# Altium PCB 0.PCB1.PcbDoc (part 9 of 12)
Units mm, origin at the board's own origin, x right, y up, seen from the top; angles counter-clockwise.
Board outline 77 x 72 mm, 6 copper layers (Top Layer, Layer 1, Layer 3, Layer 4, Layer 2, Bottom Layer), stack 1.538 mm thick; 570 components, 490 nets, 3331 pads, 1909 vias.
Unrouted connection lines stored in the file: 2.
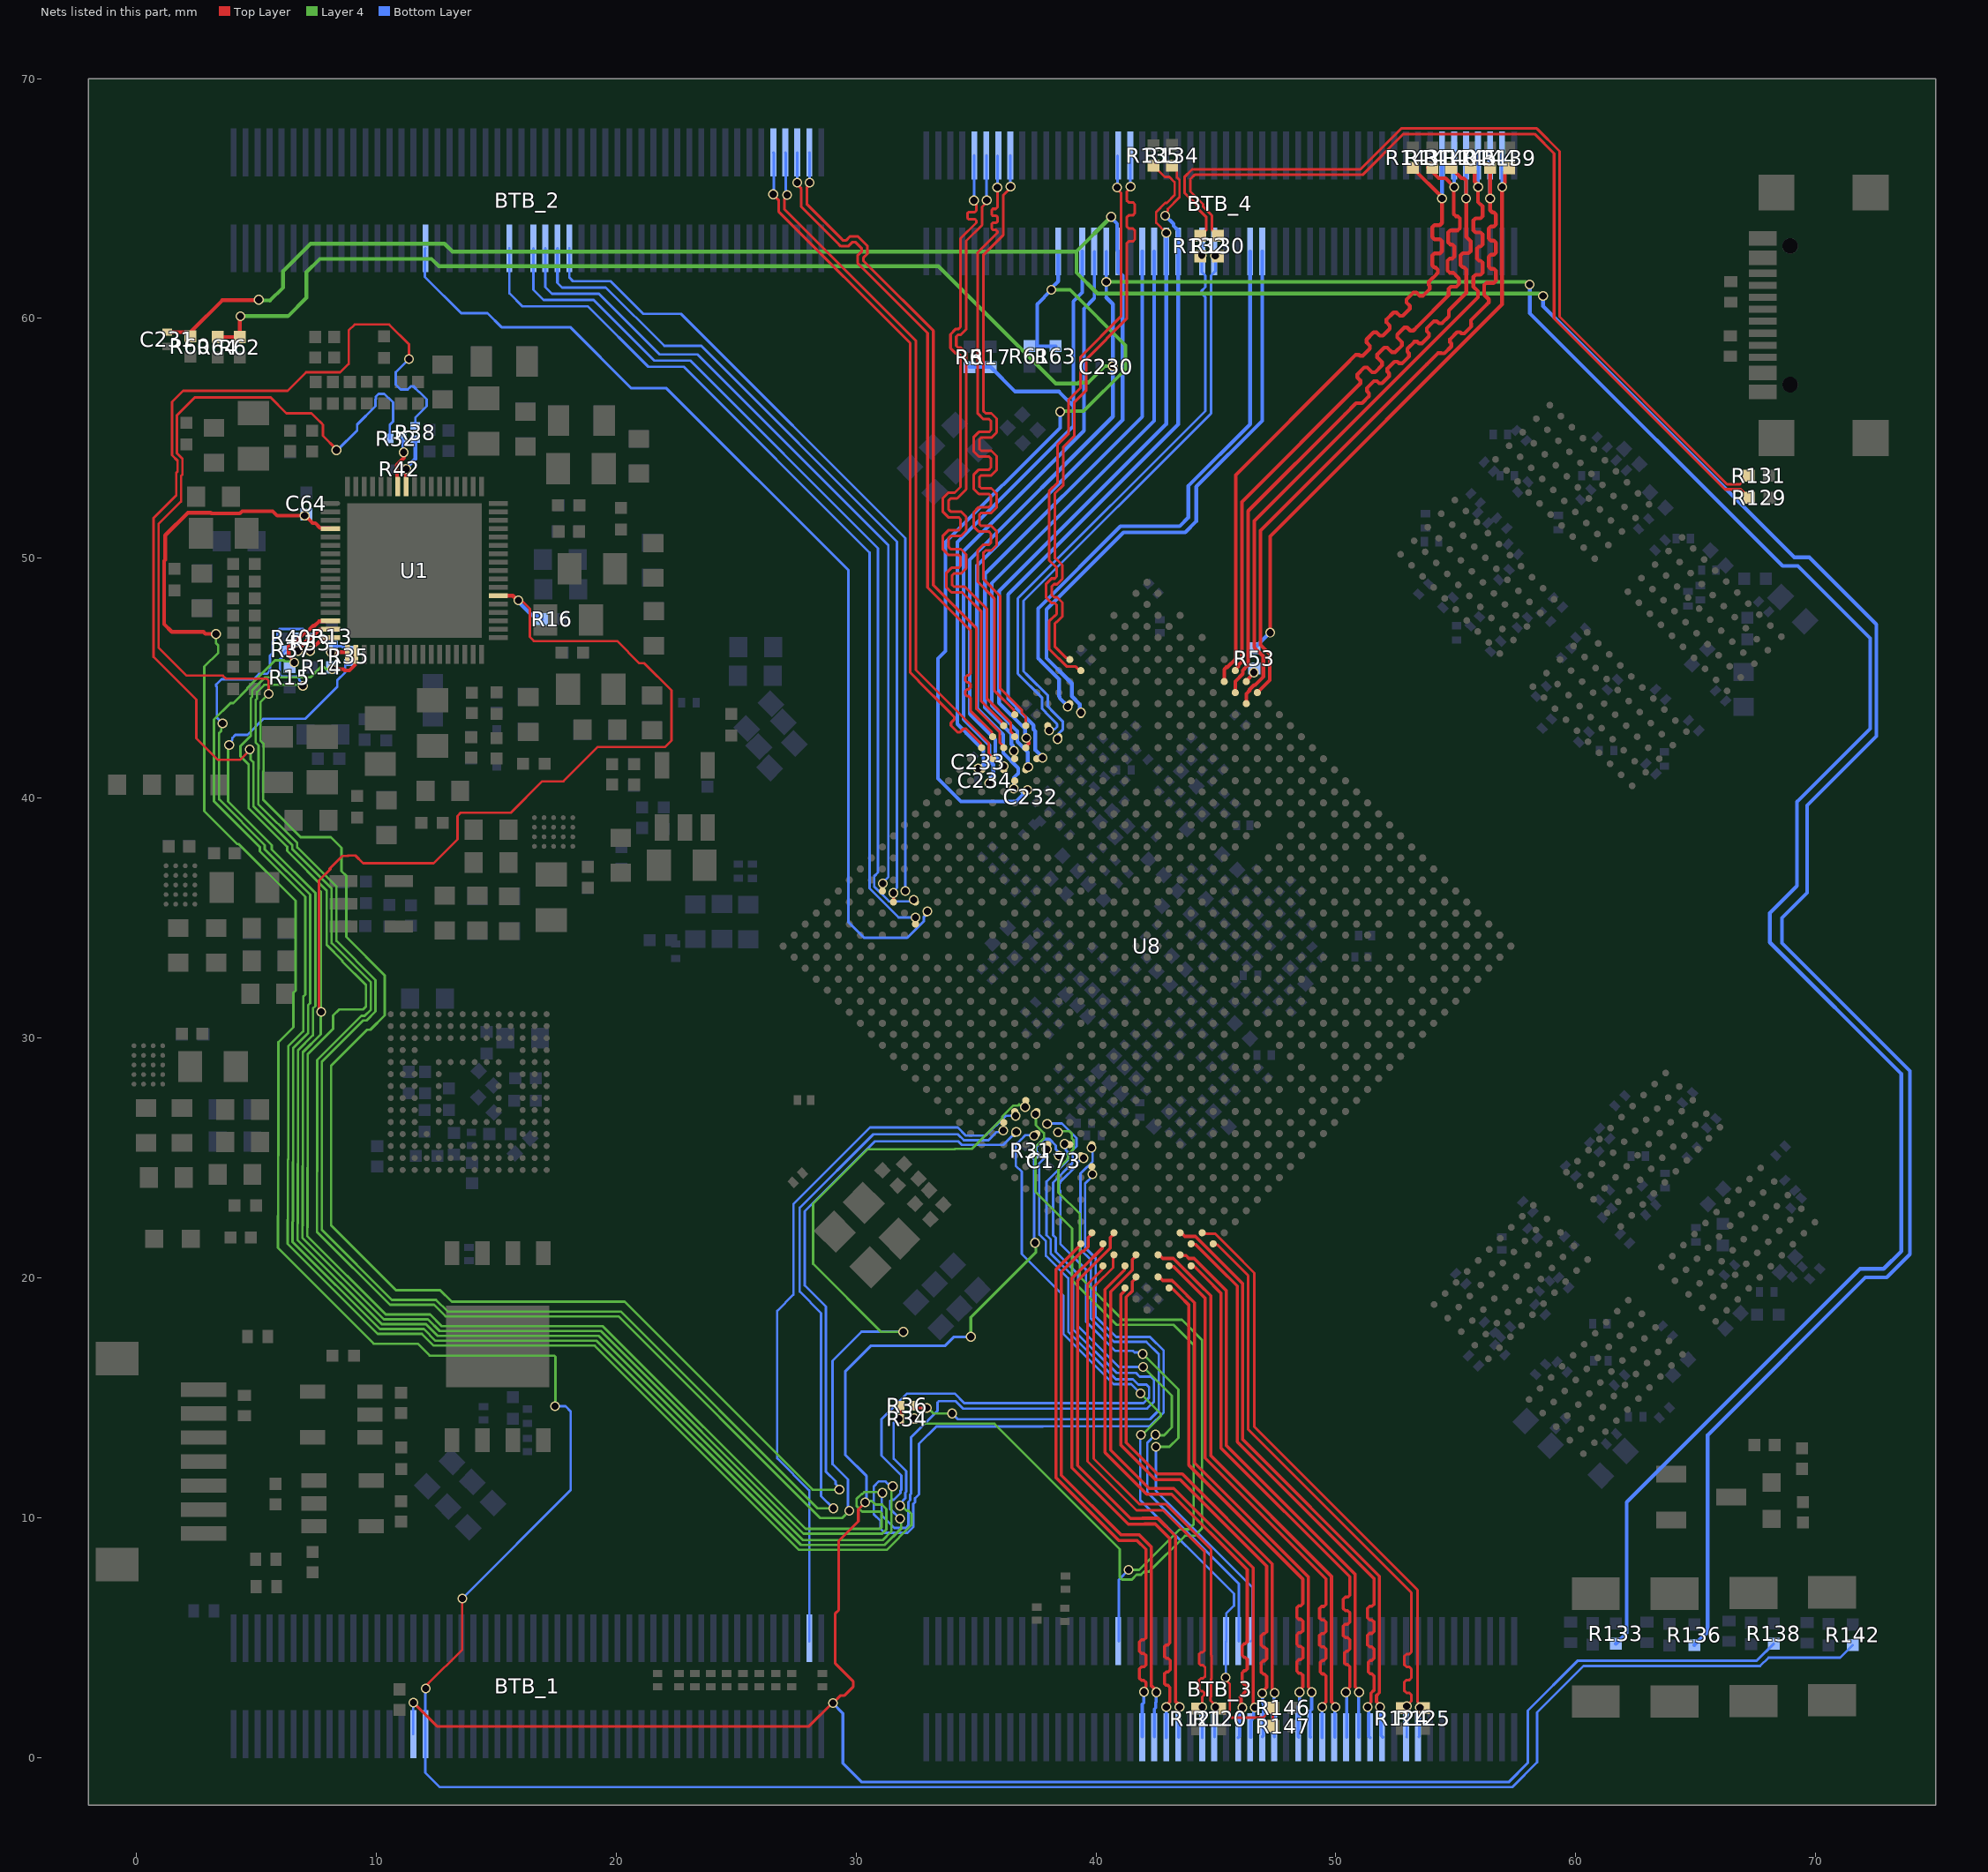
[diagram p13: the nets of this part, all layers, seen from the top]

## Via types
v1: diameter 0.41, hole 0.3, Top Layer to Bottom Layer, tented both sides, 1901 vias
v2: diameter 0.41, hole 0.3, Top Layer to Bottom Layer, 8 vias

## Nets (pads, with @x,y where several pads share a name; then routed paths per layer and width w, separated by ;. In a path a pad name is that pad's centre, name@x,y a point inside that pad or via, vN(x,y) a via of type N, cw(c..) or ccw(c..) an arc to the next point about the centre after c; other vN are vias at no path point) (continued)
PCIE30_PORT0_REF_CLKN: BTB_3.77 R121.2 U8.E34 | length 23.3
  Top Layer w0.109: U8.E34@40.292,20.497 40.256,20.46 40.256,20.331 39.816,19.891 39.648,19.723 39.648,12.348 41.69,10.305 42.808,10.305 44.531,8.583 44.531,5.436 44.531,4.461 44.449,4.38 44.377,4.38 44.296,4.298 44.296,3.92 44.377,3.839 44.47,3.839 44.551,3.758 44.551,3.379 44.47,3.298 44.377,3.298 44.296,3.217 44.296,2.838 44.377,2.757 44.449,2.757 44.531,2.676 44.531,2.622 44.432,2.523 v1(44.432,2.102)
  Bottom Layer w0.109: BTB_3.77@44.429,0.817 v1@44.429,2.095
PCIE30_PORT0_REF_CLKP: BTB_3.76 R120.2 U8.E33 | length 23.2
  Top Layer w0.109: U8.E33@40.752,20.956 40.715,20.919 40.715,20.421 40.001,19.707 39.909,19.615 39.909,12.456 41.799,10.567 42.916,10.567 44.792,8.691 44.792,4.262 44.813,4.241 44.813,3.271 44.792,3.25 44.792,2.513 44.775,2.496 44.775,2.376 44.983,2.168 v1(44.983,2.104)
  Bottom Layer w0.109: BTB_3.76@44.955,0.843 v1@44.955,2.076
PCIE30_PORT0_RX0N: BTB_3.82 U8.G34 | length 23.7
  Top Layer w0.131: U8.G34@39.373,21.416 39.373,21.378 38.328,20.333 38.328,11.671 40.95,9.049 41.707,9.049 42.082,8.673 42.082,5.068 42.082,4.983 41.998,4.899 41.9,4.899 41.816,4.814 41.816,4.42 41.9,4.336 41.998,4.336 42.082,4.252 42.082,3.858 41.998,3.773 41.9,3.773 41.816,3.689 41.816,3.295 41.9,3.211 41.998,3.211 42.082,3.126 42.082,3.061 42.082,2.948 42.056,2.922 42.056,2.785 v1(42.003,2.732)
  Bottom Layer w0.131: BTB_3.82@41.931,0.867 41.931,2.217 41.99,2.277 41.99,2.72 v1(42.003,2.732)
PCIE30_PORT0_RX0P: BTB_3.81 U8.G33 | length 23.7
  Top Layer w0.131: U8.G33@39.832,21.875 39.832,21.83 39.748,21.745 39.748,21.74 39.68,21.672 39.68,21.289 39.5,21.109 39.433,21.109 39.015,20.692 38.56,20.237 38.56,11.767 41.047,9.281 41.803,9.281 42.315,8.769 42.315,2.982 42.514,2.783 v1(42.514,2.714)
  Bottom Layer w0.131: BTB_3.81@42.431,0.867 42.431,2.01 42.49,2.07 42.49,2.286 42.514,2.309 v1(42.514,2.714)
PCIE30_PORT0_RX1N: BTB_3.80 U8.F33 | length 24.1
  Top Layer w0.131: U8.F33@40.292,21.416 40.26,21.383 40.26,21.227 39.44,20.407 39.432,20.407 39,19.976 39,12.075 41.349,9.726 42.029,9.726 42.035,9.732 42.476,9.732 43.086,9.123 43.086,5.167 43.086,4.775 43.001,4.69 42.937,4.69 42.852,4.606 42.852,4.212 42.937,4.128 43.01,4.128 43.094,4.043 43.094,3.65 43.01,3.565 42.937,3.565 42.852,3.481 42.852,3.087 42.937,3.003 43.001,3.003 43.086,2.918 43.086,2.853 43.086,2.318 42.932,2.164 v1(42.932,2.102)
  Bottom Layer w0.131: BTB_3.80@42.929,0.817 v1@42.929,2.095
PCIE30_PORT0_RX1P: BTB_3.79 U8.F32 | length 24.1
  Top Layer w0.131: U8.F32@40.752,21.875 40.751,21.829 40.599,21.677 40.599,21.237 39.535,20.173 39.239,19.877 39.239,12.174 41.448,9.965 41.93,9.965 41.936,9.971 42.575,9.971 43.324,9.222 43.324,8.935 43.327,8.933 43.327,2.32 43.483,2.163 v1(43.483,2.104)
  Bottom Layer w0.131: BTB_3.79@43.455,0.843 v1@43.455,2.076
PCIE30_PORT0_TX0N: BTB_3.74 U8.D33 | length 23.7
  Top Layer w0.131: U8.D33@41.19,20.399 41.19,20.319 40.38,19.509 40.38,12.713 42.116,10.977 43.155,10.977 46.309,7.823 46.309,4.984 46.309,4.818 46.225,4.734 46.18,4.734 46.095,4.649 46.095,4.255 46.18,4.171 46.225,4.171 46.309,4.087 46.309,3.693 46.225,3.608 46.18,3.608 46.095,3.524 46.095,3.13 46.18,3.046 46.225,3.046 46.309,2.961 46.309,2.896 46.309,2.815 46.004,2.51 46.051,2.463 46.051,2.127 v1(46.104,2.074)
  Bottom Layer w0.131: BTB_3.74@45.929,0.817 45.98,0.868 45.98,1.787 46.051,1.857 46.051,2.02 v1(46.104,2.074)
PCIE30_PORT0_TX0P: BTB_3.73 U8.D32 | length 23.7
  Top Layer w0.131: U8.D32@41.671,20.956 41.671,20.91 41.518,20.757 41.518,20.318 40.613,19.413 40.613,19.095 40.613,12.809 42.213,11.209 43.251,11.209 46.561,7.899 46.561,2.55 ; 46.562,2.549 46.562,2.137 v1(46.616,2.083)
  Bottom Layer w0.131: BTB_3.73@46.455,0.843 46.455,1.518 46.581,1.644 46.581,2.048 v1(46.616,2.083)
PCIE30_PORT0_TX1N: BTB_3.72 U8.C34 | length 22.5
  Top Layer w0.131: U8.C34@41.211,19.577 41.179,19.545 41.179,19.432 41.032,19.284 41.032,13.028 42.473,11.587 43.506,11.587 47.118,7.974 47.118,5.505 47.118,5.24 47.034,5.155 46.979,5.155 46.894,5.071 46.894,4.677 46.979,4.593 47.034,4.593 47.118,4.508 47.118,4.114 47.034,4.03 46.979,4.03 46.894,3.946 46.894,3.552 46.979,3.467 47.034,3.467 47.118,3.383 47.118,3.318 47.118,2.919 46.933,2.734 v1(46.933,2.675)
  Bottom Layer w0.131: v1(46.933,2.675) 46.935,2.674 46.935,2.29 46.988,2.237 46.988,0.916 BTB_3.72@46.935,0.863
PCIE30_PORT0_TX1P: BTB_3.71 U8.C33 | length 22.5
  Top Layer w0.131: U8.C33@41.671,20.037 41.671,19.991 41.518,19.838 41.518,19.442 41.264,19.188 41.264,13.125 42.57,11.819 43.602,11.819 47.35,8.07 47.35,2.867 47.452,2.766 v1(47.452,2.69)
  Bottom Layer w0.131: BTB_3.71@47.443,0.855 47.443,1.771 47.427,1.787 47.427,2.665 v1(47.452,2.69)
PCIE30_PORT1_REF_CLKN: BTB_3.59 R125.2 U8.B28 | length 25.1
  Top Layer w0.109: U8.B28@44.429,21.875 44.465,21.839 44.965,21.839 45.681,21.123 46.605,20.2 46.605,13.785 53.411,6.978 53.411,2.302 53.511,2.202 R125.2@53.511,2.132
  Bottom Layer w0.109: BTB_3.59@53.455,0.843 53.483,0.871 53.483,2.104 v1@53.511,2.132
  other v1: 53.511,2.081
PCIE30_PORT1_REF_CLKP: BTB_3.60 R124.2 U8.A28 | length 24.9
  Top Layer w0.109: U8.A28@44.888,21.416 44.925,21.379 45.056,21.379 46.343,20.092 46.343,13.676 53.15,6.87 53.15,4.987 53.15,4.392 53.069,4.31 52.943,4.31 52.862,4.229 52.862,3.851 52.943,3.77 53.069,3.77 53.15,3.689 53.15,3.31 53.069,3.229 52.943,3.229 52.862,3.148 52.862,2.769 52.943,2.688 53.069,2.688 53.15,2.607 53.15,2.344 53.093,2.288 52.96,2.154 v1(52.96,2.13)
  Bottom Layer w0.109: BTB_3.60@52.955,0.843 52.957,0.845 52.957,2.123 v1@52.955,2.125
PCIE30_PORT1_RX0N: BTB_3.69 U8.A32 | length 22.1
  Top Layer w0.131: U8.A32@43.049,19.577 43.082,19.545 43.187,19.545 43.645,19.087 43.713,19.019 43.878,18.854 43.878,12.18 48.627,7.431 48.627,7.034 48.627,6.406 48.542,6.321 48.457,6.321 48.373,6.237 48.373,5.843 48.457,5.759 48.542,5.759 48.627,5.674 48.627,5.281 48.542,5.196 48.457,5.196 48.373,5.112 48.373,4.718 48.457,4.634 48.542,4.634 48.627,4.549 48.627,4.155 48.542,4.071 48.457,4.071 48.373,3.987 48.373,3.593 48.457,3.508 48.542,3.508 48.627,3.424 48.627,2.931 48.503,2.807 48.487,2.791 v1(48.487,2.716)
  Bottom Layer w0.131: BTB_3.69@48.455,0.843 48.435,0.862 48.435,2.151 48.493,2.209 48.493,2.71 v1(48.487,2.716)
PCIE30_PORT1_RX0P: BTB_3.68 U8.B32 | length 22.1
  Top Layer w0.131: U8.B32@42.59,20.037 42.636,20.037 42.788,19.884 43.177,19.884 43.356,19.704 43.741,19.319 43.809,19.251 44.11,18.951 44.11,12.276 48.859,7.527 48.859,7.034 48.859,2.931 48.999,2.791 v1(48.999,2.716)
  Bottom Layer w0.131: BTB_3.68@48.955,0.843 48.935,0.862 48.935,1.944 48.993,2.002 48.993,2.71 v1(48.999,2.716)
PCIE30_PORT1_RX1N: BTB_3.67 U8.B31 | length 23.5
  Top Layer w0.131: U8.B31@43.05,20.496 43.082,20.464 43.239,20.464 44.062,19.64 44.13,19.572 44.553,19.149 44.553,12.483 49.59,7.447 49.59,7.004 49.59,6.376 49.505,6.292 49.408,6.292 49.324,6.207 49.324,5.813 49.408,5.729 49.505,5.729 49.59,5.645 49.59,5.251 49.505,5.166 49.408,5.166 49.324,5.082 49.324,4.688 49.408,4.604 49.505,4.604 49.59,4.519 49.59,4.126 49.505,4.041 49.438,4.041 49.353,3.957 49.353,3.563 49.438,3.479 49.505,3.479 49.59,3.394 49.59,3.206 49.59,2.318 49.432,2.16 v1(49.432,2.102)
  Bottom Layer w0.131: BTB_3.67@49.429,0.817 v1@49.429,2.095
PCIE30_PORT1_RX1P: BTB_3.66 U8.C31 | length 23.4
  Top Layer w0.131: U8.C31@42.59,20.956 42.636,20.956 42.789,20.803 43.228,20.803 44.295,19.737 44.786,19.245 44.786,12.58 49.822,7.543 49.822,7.004 49.822,2.32 49.983,2.159 v1(49.983,2.104)
  Bottom Layer w0.131: BTB_3.66@49.955,0.843 v1@49.955,2.076
PCIE30_PORT1_TX0N: BTB_3.65 U8.A30 | length 23.5
  Top Layer w0.131: U8.A30@43.969,20.497 44.001,20.464 44.106,20.464 44.496,20.074 44.564,20.006 45.206,19.364 45.206,12.909 50.581,7.534 50.581,7.392 50.581,6.764 50.496,6.68 50.397,6.68 50.312,6.596 50.312,6.202 50.397,6.117 50.496,6.117 50.581,6.033 50.581,5.639 50.496,5.555 50.397,5.555 50.312,5.47 50.312,5.077 50.397,4.992 50.496,4.992 50.581,4.908 50.581,4.514 50.496,4.43 50.44,4.43 50.356,4.345 50.356,3.951 50.44,3.867 50.496,3.867 50.581,3.783 50.581,3.414 50.581,2.932 50.421,2.772 v1(50.421,2.716)
  Bottom Layer w0.131: v1(50.421,2.716) 50.455,2.682 BTB_3.65@50.455,0.843
PCIE30_PORT1_TX0P: BTB_3.64 U8.B30 | length 23.5
  Top Layer w0.131: U8.B30@43.509,20.956 43.542,20.924 43.755,20.924 43.875,20.803 44.096,20.803 44.729,20.17 45.439,19.461 45.439,13.005 50.813,7.631 50.813,7.392 50.813,2.932 50.972,2.772 v1(50.972,2.716)
  Bottom Layer w0.131: BTB_3.64@50.955,0.843 50.952,0.846 50.952,2.695 v1(50.972,2.716)
PCIE30_PORT1_TX1N: BTB_3.63 U8.B29 | length 24.9
  Top Layer w0.131: U8.B29@43.969,21.416 44.001,21.383 44.158,21.383 45.05,20.492 45.122,20.419 45.889,19.652 45.889,13.155 51.59,7.455 51.59,7.008 51.59,6.38 51.505,6.296 51.409,6.296 51.324,6.211 51.324,5.817 51.409,5.733 51.505,5.733 51.59,5.649 51.59,5.255 51.505,5.17 51.409,5.17 51.324,5.086 51.324,4.692 51.409,4.608 51.505,4.608 51.59,4.523 51.59,4.13 51.505,4.045 51.435,4.045 51.351,3.961 51.351,3.567 51.435,3.483 51.505,3.483 51.59,3.398 51.59,3.219 51.59,2.798 51.465,2.673 51.465,2.315 51.327,2.177 v1(51.327,2.102)
  Bottom Layer w0.131: v1(51.327,2.102) 51.379,2.05 51.379,0.868 BTB_3.63@51.429,0.817
PCIE30_PORT1_TX1P: BTB_3.62 U8.C29 | length 24.9
  Top Layer w0.131: U8.C29@43.509,21.875 43.555,21.875 43.708,21.722 44.148,21.722 45.214,20.656 45.355,20.515 46.122,19.748 46.122,13.251 51.822,7.551 51.822,7.008 51.822,2.702 51.697,2.577 51.697,2.32 51.838,2.179 v1(51.838,2.104)
  Bottom Layer w0.131: v1(51.838,2.104) 51.885,2.057 51.885,0.913 BTB_3.62@51.955,0.843
PCIE30X1_0_CLKREQN_M0: BTB_1.49 U8.T31 | length 30.1
  Bottom Layer w0.102: BTB_1.49@28.051,4.843 28.051,11.131 26.715,12.467 26.715,18.616 27.388,19.289 27.388,23.066 30.583,26.261 33.446,26.261 34.24,26.261 34.575,25.926 35.409,25.926 36.237,26.754 v1(36.65,26.754)
PCIE30X1_0_PERSTN_M0: BTB_3.27 U8.P30 | length 27.8
  Layer 4 w0.102: v1(41.97,16.279) 43.167,15.083 43.167,13.758 42.841,13.433 42.504,13.433 v1(42.479,13.458)
  Bottom Layer w0.102: v1(37.968,26.413) 37.987,26.432 38.581,26.432 39.186,25.827 39.186,25.476 39.013,25.302 39.013,25.218 39.035,25.195 39.035,24.917 39.013,24.895 39.013,24.767 38.216,23.97 38.216,21.768 38.322,21.662 38.322,21.081 39.253,20.15 39.253,17.985 40.959,16.279 v1(41.97,16.279) ; v1(42.479,13.458) 42.141,13.12 42.141,11.053 45.955,7.239 BTB_3.27@45.955,4.843
PCIE30X1_0_WAKEN_M0: BTB_3.17 U8.R30 | length 28.2
  Layer 4 w0.102: v1(37.475,26.819) 37.499,26.794 37.499,26.364 37.835,26.028 37.835,25.811 37.476,25.452 37.476,23.584 39.006,22.054 39.006,19.894 40.865,18.034 41.673,18.034 42.593,18.034 43.243,18.034 44.073,17.204 44.073,9.718 43.868,9.513 43.494,9.513 ; v1(41.367,7.817) 41.799,7.817 43.494,9.513 ; 43.492,9.515 43.494,9.513
  Bottom Layer w0.102: BTB_3.17@40.955,4.843 40.955,7.405 v1(41.367,7.817)
PCIE30X2_CLKREQN_M1: BTB_2.73 U8.AL27 | length 35.2
  Top Layer w0.127: U8.AL27@31.559,35.664 v1(31.559,36.041)
  Bottom Layer w0.102: 17.546,61.491 17.749,61.288 19.57,61.288 22.006,58.852 23.547,58.852 31.706,50.693 31.706,39.66 31.706,36.255 31.559,36.107 v1(31.559,36.041)
  Bottom Layer w0.114: 17.546,61.491 17.551,61.497 BTB_2.73@17.551,62.92
PCIE30X2_PERSTN_M1: BTB_2.75 U8.AK26 | length 36.6
  Bottom Layer w0.102: 16.551,61.69 16.551,61.19 16.977,60.765 19.059,60.765 21.584,58.24 23.093,58.24 30.914,50.419 30.914,38.867 30.914,36.896 30.756,36.739 30.756,36.312 31.374,35.694 32.339,35.694 v1(32.398,35.753)
  Bottom Layer w0.114: 16.551,61.69 BTB_2.75@16.551,62.92
PCIE30X2_WAKEN_M1: BTB_2.74 U8.AM27 | length 34.6
  Bottom Layer w0.102: 17.051,61.606 17.051,61.3 17.325,61.026 19.283,61.026 21.81,58.499 23.385,58.499 31.351,50.534 31.351,39.304 31.351,36.714 31.118,36.482 v1(31.118,36.441)
  Bottom Layer w0.114: 17.051,61.606 BTB_2.74@17.051,62.92
PCIE30X4_CLKREQN_M1: BTB_2.72 U8.AL26 | length 34.4
  Bottom Layer w0.102: BTB_2.72@18.051,62.92 18.051,61.697 18.196,61.552 19.767,61.552 21.13,60.189 22.701,60.189 32.053,50.837 v1(32.053,36.123)
PCIE30X4_PERSTN_M1: BTB_2.77 U8.AJ27 | length 37.8
  Bottom Layer w0.102: BTB_2.77@15.551,62.92 15.551,61.047 16.098,60.501 18.826,60.501 21.343,57.983 22.816,57.983 30.563,50.236 30.563,38.517 30.563,36.232 31.774,35.021 v1(32.479,35.021)
PCIE30X4_WAKEN_M1: BTB_2.84 U8.AJ26 | length 42.8
  Bottom Layer w0.114: BTB_2.84@12.051,62.92 12.028,62.897 12.028,61.729 13.537,60.219 14.638,60.219 15.222,59.634 18.087,59.634 20.636,57.086 22.099,57.086 29.679,49.505 29.679,37.633 29.679,34.825 30.331,34.174 32.131,34.174 32.833,34.875 32.833,35.047 32.979,35.193 v1(32.979,35.273)
PMIC_INT: R14.2 U1.19 U8.M30 | length 95.3
  Top Layer w0.156: v1(8.161,45.371) 8.628,45.371 8.679,45.32 8.876,45.32 9.119,45.562 9.119,45.967 U1.19@9.14,45.988
  Layer 4 w0.102: v1(8.161,45.371) 8.159,45.373 7.912,45.373 7.835,45.45 7.677,45.45 7.263,45.037 5.364,45.037 4.827,44.5 4.827,44.228 4.766,44.166 4.766,42.591 4.341,42.166 4.341,41.743 4.674,41.41 4.674,39.579 6.283,37.97 6.283,37.794 7.934,36.142 7.934,33.873 8.586,33.222 8.586,33.187 9.57,32.202 9.57,31.308 9.449,31.187 8.451,31.187 8.202,30.939 8.202,30.375 7.143,29.316 7.143,24.594 7.132,24.582 7.132,22.092 7.121,22.082 7.121,21.745 10.399,18.467 12.239,18.467 12.726,17.981 19.443,17.981 27.897,9.527 31.005,9.527 31.065,9.587 31.065,10.192 31.005,10.251 30.252,10.251 30.024,10.479 30.024,10.775 30.233,10.984 30.262,10.984 30.34,11.062 31.064,11.062 v1(31.096,11.03)
  Bottom Layer w0.102: v1(31.096,11.03) 31.074,11.008 31.074,10.087 31.595,9.566 32.066,9.566 32.186,9.686 32.186,10.651 32.258,10.723 32.258,10.952 32.292,10.986 32.292,13.345 33.398,14.45 33.398,14.795 33.457,14.854 34.144,14.854 34.455,14.543 42.129,14.543 42.419,14.833 42.419,15.749 42.29,15.878 41.828,15.878 41.676,16.03 40.861,16.03 39.05,17.841 39.05,20.066 38.119,20.996 38.119,21.592 37.939,21.772 37.939,24.009 38.82,24.889 38.82,24.975 38.842,24.997 38.842,25.115 38.82,25.138 38.82,25.244 38.753,25.31 38.753,25.517 v1(38.694,25.576)
PMIC_PWR_CTRL1: R32.2 U1.62 | length 2.1
  Top Layer w0.156: U1.62@10.89,52.989 10.869,53.01 10.869,53.53 10.848,53.55 10.848,53.885 11.153,54.191 11.153,54.409 v1(11.146,54.416)
  Bottom Layer w0.102: R32.2@11.115,54.989 11.109,54.983 11.109,54.542 v1@11.145,54.506
PMIC_PWR_CTRL1_R: R32.1 U8.R32 | length 104
  Top Layer w0.102: v1(5.516,44.342) 5.516,44.895 5.43,44.981 3.727,44.981 3.602,45.106 2.09,45.106 0.922,46.274 0.922,51.426 1.86,52.364 1.86,53.426 1.92,53.485 1.92,54.148 1.688,54.379 1.688,55.96 2.433,56.704 5.598,56.704 6.257,56.046 7.299,56.046 7.615,55.73 7.654,55.691 7.655,55.69 7.658,55.69 7.719,55.629 7.719,55.618 7.778,55.559 7.778,55.104 8.337,54.545 v1(8.337,54.506)
  Layer 4 w0.102: v1(5.516,44.342) 5.172,43.998 5.172,42.402 5.299,42.275 5.299,41.126 5.284,41.11 5.284,39.933 6.849,38.368 8.106,38.368 8.554,37.92 8.554,36.95 8.747,36.757 8.747,34.21 10.355,32.602 10.355,30.94 9.754,30.339 9.614,30.339 8.119,28.843 8.119,22.185 10.82,19.483 12.66,19.483 13.146,18.997 20.356,18.997 28.192,11.161 v1(29.304,11.161)
  Bottom Layer w0.102: v1(8.337,54.506) 8.376,54.506 9.201,55.331 9.201,55.575 9.967,56.341 9.967,56.625 9.981,56.64 9.981,56.744 10.093,56.856 10.337,56.856 10.697,56.496 10.697,56.446 10.699,56.444 10.699,55.703 10.565,55.57 R32.1@10.565,54.989 ; v1(29.304,11.161) 29.304,11.245 29.149,11.399 29.149,11.508 28.747,11.91 28.747,18.794 27.864,19.676 27.864,22.766 30.786,25.687 34.268,25.687 34.415,25.54 36.141,25.54 36.682,26.081 v1(36.682,26.085)
PMIC_PWR_CTRL2: R38.2 R42.2 U1.61 | length 2.1
  Top Layer w0.156: U1.61@11.24,52.989 11.247,52.995 11.247,53.712 v1(11.253,53.718)
  Bottom Layer w0.156: v1(11.253,53.718) 11.253,53.768 11.627,54.143 11.627,54.938 R38.2@11.602,54.963
PMIC_PWR_CTRL2_R: R38.1 U8.T30 | length 113.9
  Top Layer w0.102: v1(4.719,42.029) 4.719,41.985 4.327,41.593 3.4,41.593 2.501,42.492 2.501,44.102 0.719,45.885 0.719,51.675 1.657,52.613 1.657,53.55 1.716,53.609 1.716,54.064 1.485,54.295 1.485,56.515 1.947,56.978 6.301,56.978 7.073,57.75 7.162,57.75 ; 7.162,57.751 7.943,57.751 7.949,57.757 8.321,57.757 8.327,57.751 8.494,57.751 8.849,58.105 8.849,59.5 9.095,59.746 10.536,59.746 11.361,58.922 v1(11.361,58.311)
  Layer 4 w0.102: v1(4.719,42.029) 4.764,41.983 4.764,41.608 4.877,41.495 4.877,39.663 6.5,38.041 6.5,37.864 8.137,36.227 8.137,33.958 9.776,32.319 9.776,31.18 9.514,30.918 9.374,30.918 7.539,29.083 7.539,24.429 7.528,24.418 7.528,21.914 10.568,18.874 12.408,18.874 12.894,18.387 20.103,18.387 28.511,9.98 29.418,9.98 v1(29.723,10.286) ; v1(31.973,17.743) 31.041,17.743 28.208,20.575 28.208,23.082 30.486,25.359 34.114,25.359 34.124,25.37 34.219,25.37 34.224,25.374 34.832,25.374 36.103,26.645 36.103,26.726 36.556,27.179 36.75,27.179 36.8,27.229 36.851,27.179 36.991,27.179 v1(37.05,27.12)
  Bottom Layer w0.102: v1(11.361,58.311) 10.81,57.76 10.81,57.245 11.019,57.036 11.315,57.036 11.455,57.176 11.539,57.176 11.783,56.931 11.798,56.931 12.1,56.629 12.1,56.333 11.627,55.861 R38.1@11.627,55.518 ; v1(29.723,10.286) 29.664,10.345 29.664,10.496 29.661,10.499 29.661,11.584 29.019,12.227 29.019,16.541 30.228,17.75 31.917,17.75 v1@31.95,17.783
PMIC_PWR_CTRL3: R37.2 R40.2 U1.16 | length 2.3
  Top Layer w0.156: v1(6.737,46.138) 6.737,46.195 7.145,46.602 7.213,46.602 7.627,47.017 8.069,47.017 U1.16@8.09,47.039
  Bottom Layer w0.156: R40.2@6.735,46.696 6.735,46.14 v1(6.737,46.138)
PMIC_PWR_CTRL3_R: R37.1 U8.T32 | length 79.2
  Layer 4 w0.102: v1(6.94,44.679) 6.9,44.719 5.334,44.719 5.031,44.416 5.031,44.144 4.969,44.082 4.969,42.318 5.096,42.191 5.096,41.21 5.081,41.195 5.081,39.747 6.703,38.125 6.703,37.948 8.341,36.311 8.341,34.042 9.969,32.414 9.969,31.1 9.594,30.725 9.454,30.725 7.732,29.003 7.732,21.996 10.652,19.077 12.492,19.077 12.978,18.591 20.187,18.591 28.394,10.384 v1(29.057,10.384)
  Bottom Layer w0.102: R37.1@6.213,46.15 6.082,46.018 6.082,45.882 5.981,45.782 5.981,45.508 5.981,45.155 6.07,45.066 6.689,45.066 6.791,44.964 6.791,44.912 6.94,44.763 v1(6.94,44.679) ; v1(29.057,10.384) 28.544,10.897 28.544,18.527 27.652,19.419 27.652,22.914 30.72,25.982 33.725,25.982 34.246,25.982 34.495,25.733 35.521,25.733 35.863,26.075 36.077,26.075 v1(36.143,26.142)
PMIC_SPI_CLK: R33.2 U1.17 | length 1.1
  Top Layer w0.156: v1(7.249,46.138) 7.249,46.147 7.768,46.667 8.069,46.667 U1.17@8.09,46.689
PMIC_SPI_CLK_R: R33.1 U8.N31 | length 92.2
  Layer 4 w0.102: v1(3.593,43.113) 3.534,43.054 3.534,42.79 3.449,42.705 3.449,39.942 5.354,38.037 5.354,37.861 7.242,35.972 7.242,31.445 7.158,31.361 7.158,30.193 6.534,29.568 6.534,24.846 6.522,24.835 6.522,22.345 6.512,22.335 6.512,21.493 10.147,17.858 11.987,17.858 12.473,17.371 19.19,17.371 27.706,8.856 31.196,8.856 31.879,9.539 31.879,9.897 v1(31.829,9.947)
  Bottom Layer w0.102: v1(3.593,43.113) 3.352,43.354 3.352,44.633 3.331,44.655 3.331,44.739 3.543,44.951 4.884,44.951 5.112,45.179 5.44,45.179 5.575,45.314 5.575,45.95 5.675,46.051 5.675,46.515 5.879,46.718 5.879,46.959 5.968,47.048 6.944,47.048 7.033,46.959 7.033,46.912 7.204,46.742 R33.1@7.254,46.742 ; v1(31.829,9.947) 31.421,10.355 31.421,10.685 31.48,10.745 31.571,10.745 31.852,11.026 31.852,11.12 31.886,11.154 31.886,11.756 31.063,12.578 31.063,14.1 32.133,15.169 34.117,15.169 34.51,14.776 41.991,14.776 42.216,15.001 42.216,15.434 42.106,15.544 41.771,15.544 41.549,15.766 40.837,15.766 38.846,17.757 38.846,19.981 37.916,20.912 37.916,21.522 37.639,21.799 37.639,24.769 37.892,25.023 37.892,25.298 v1(37.951,25.357)